# Altium PCB PCB22.PcbDoc (part 12 of 16)
Units mm, origin at the board's own origin, x right, y up, seen from the top; angles counter-clockwise.
Board outline 233.7 x 110.51 mm, 4 copper layers (Top Layer, Layer 1, Layer 2, Bottom Layer), stack 0.603 mm thick; 1249 components, 1355 nets, 4549 pads, 1315 vias.
Unrouted connection lines stored in the file: 1569.
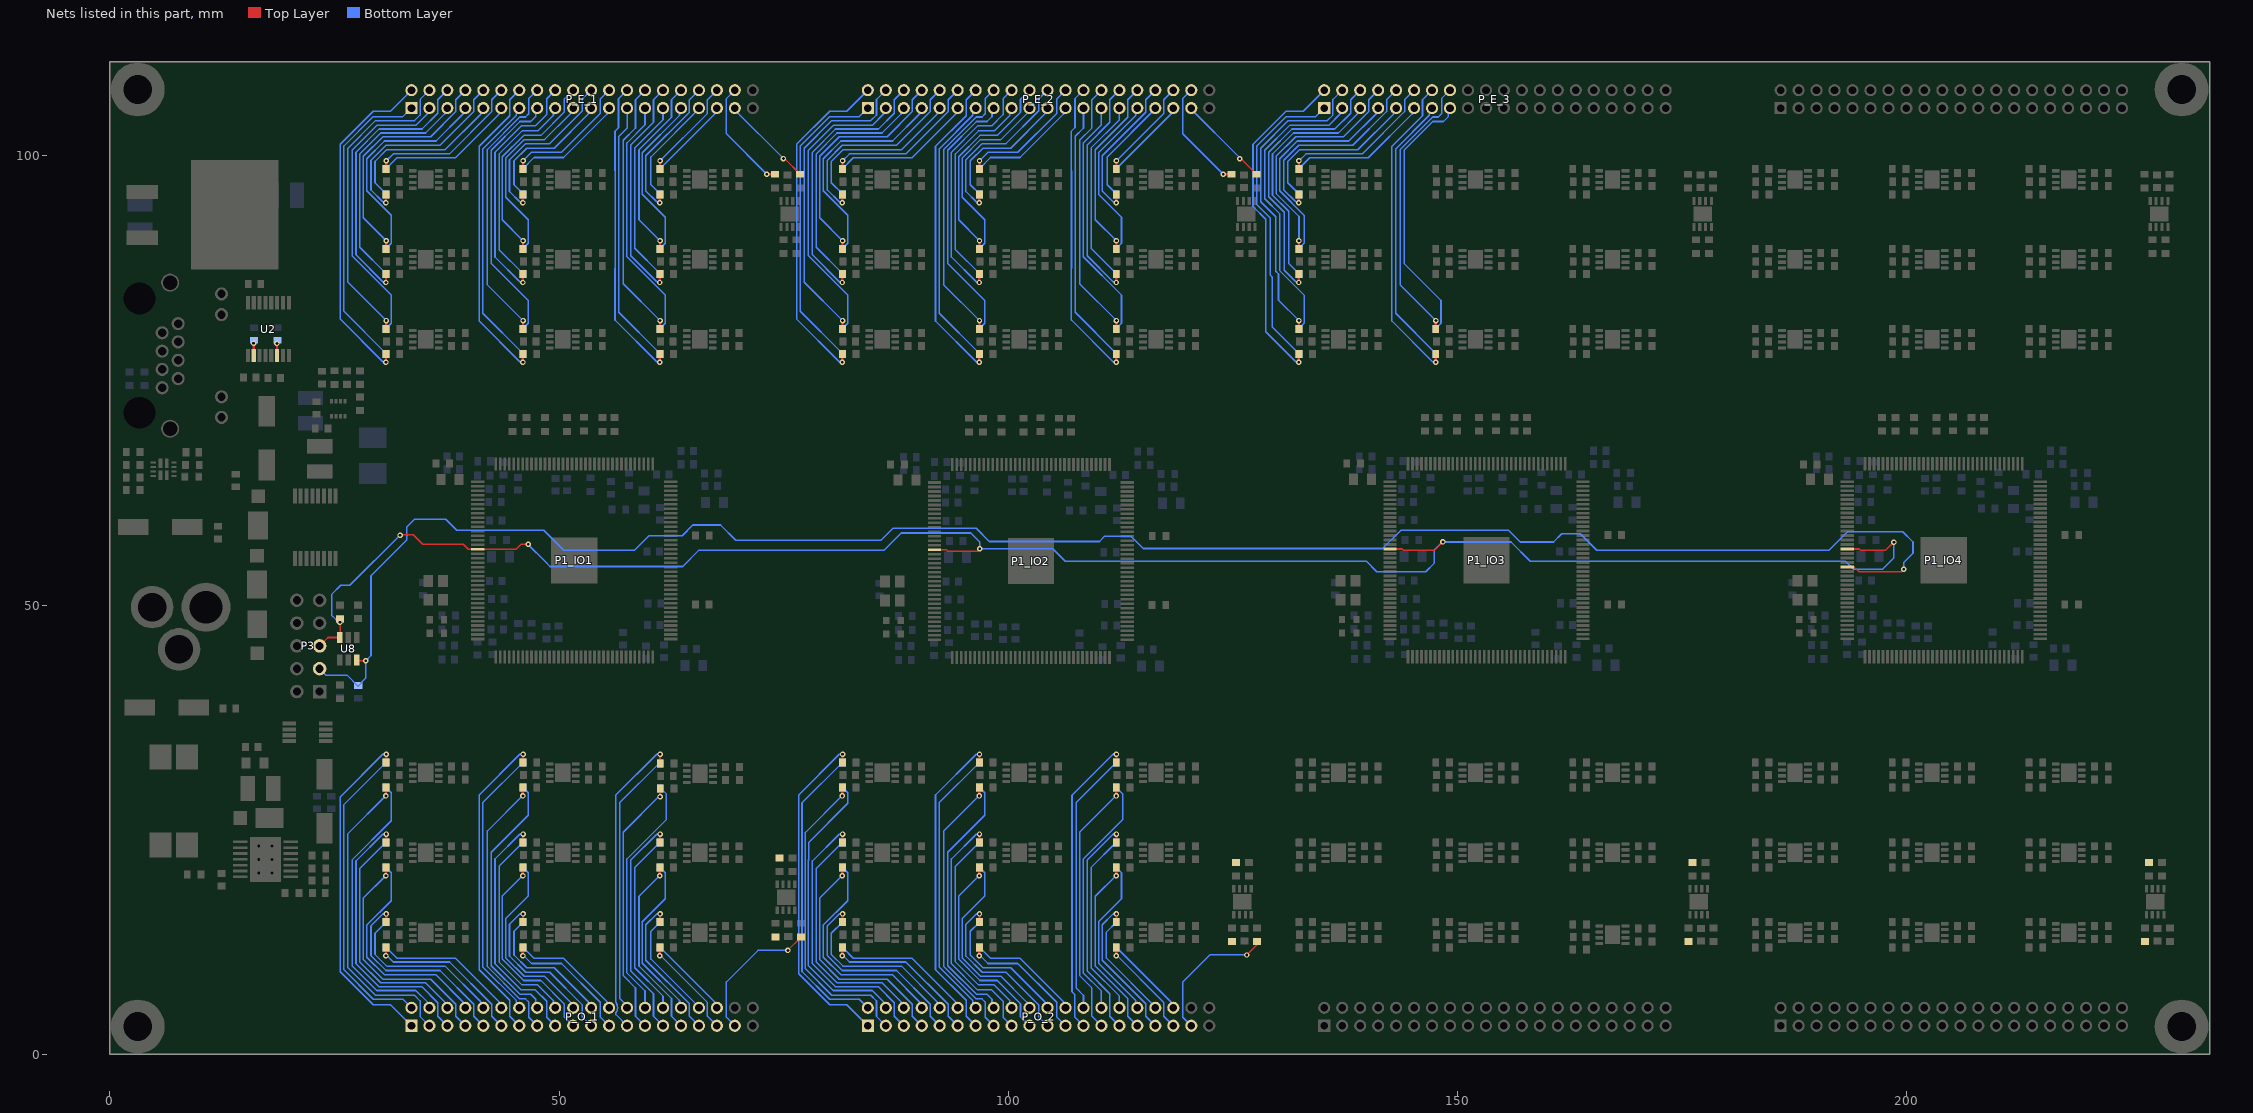
[diagram p14: the nets of this part, all layers, seen from the top]

## Via types
v1: diameter 0.61, hole 0.305, Top Layer to Bottom Layer, 1315 vias

## Nets (pads, with @x,y where several pads share a name; then routed paths per layer and width w, separated by ;. In a path a pad name is that pad's centre, name@x,y a point inside that pad or via, vN(x,y) a via of type N, cw(c..) or ccw(c..) an arc to the next point about the centre after c; other vN are vias at no path point) (continued)
TDO: C37.2 P1_IO4.20 P3.3 U8.6 | length 213.3
  Top Layer w0.178: U8.6@27.474,43.903 27.548,43.83 v1(28.48,43.83) ; P1_IO4.20@193.369,54.255 194.135,54.255 194.683,53.707 199.393,53.707 v1(199.676,53.99)
  Bottom Layer w0.178: P3.3@23.339,42.928 24.082,42.185 26.43,42.185 27.568,41.048 C37.2@27.637,41.048 27.706,41.048 27.998,41.34 27.998,41.409 28.48,41.891 v1(28.48,43.83) 29.055,44.405 29.055,53.285 33.057,57.287 33.057,58.736 33.899,59.578 37.37,59.578 38.593,58.355 48.273,58.355 50.513,56.115 58.376,56.115 60.003,57.742 63.688,57.742 64.877,58.931 67.96,58.931 69.67,57.221 85.814,57.221 87.15,58.557 96.416,58.557 97.881,57.092 110.14,57.092 110.712,57.663 113.658,57.663 115.007,56.314 141.656,56.314 143.664,58.322 155.687,58.322 156.972,57.038 160.679,57.038 161.587,57.947 163.653,57.947 165.495,56.105 191.351,56.105 193.412,58.167 199.563,58.167 200.692,57.038 200.692,55.768 199.676,54.752 v1(199.676,53.99)
TMS: C38.2 P1_IO1.16 P1_IO2.16 P1_IO3.16 P1_IO4.16 P3.5 R11.2 U8.3 | length 213.5
  Top Layer w0.178: P3.5@23.339,45.468 24.274,46.403 U8.3@25.574,46.403 25.615,46.444 R11.2@25.615,48.481 ; v1(32.29,57.8) 32.333,57.843 33.771,57.843 34.83,56.784 39.337,56.784 39.892,56.229 P1_IO1.16@40.944,56.229 45.197,56.229 45.752,56.784 46.567,56.784 v1(46.575,56.792) ; P1_IO2.16@91.772,56.163 93.121,56.163 93.265,56.019 96.549,56.019 v1(96.806,56.276) ; P1_IO3.16@142.493,56.251 143.842,56.251 143.986,56.106 147.436,56.106 v1(148.368,57.038) ; P1_IO4.16@193.369,56.255 194.718,56.255 194.863,56.11 197.644,56.11 198.541,57.007 v1(198.568,57.007)
  Bottom Layer w0.178: C38.2@25.615,48.481 25.536,48.402 25.155,48.402 25.155,48.406 24.67,48.892 24.67,51.183 25.699,52.212 26.702,52.212 v1(32.29,57.8) ; v1(46.575,56.792) 46.575,56.723 48.47,54.828 48.986,54.312 63.743,54.312 65.569,56.138 86.179,56.138 88.073,58.032 95.812,58.032 96.806,57.038 v1(96.806,56.276) 104.934,56.276 106.326,54.884 139.854,54.884 141.01,53.728 146.448,53.728 147.426,54.706 147.426,56.191 148.273,57.038 v1(148.368,57.038) 155.949,57.038 158.089,54.898 193.18,54.898 194.088,53.99 197.288,53.99 198.568,55.27 v1(198.568,57.007)
  other v1: 25.597,48.1
V+: C41.2 U2.2 | length 1.4
  Top Layer w0.254: v1(15.988,79.144) 16.007,79.125 U2.2@16.007,77.793
V-: C44.2 U2.6 | length 1.4
  Top Layer w0.254: v1(18.587,79.136) 18.607,79.116 U2.6@18.607,77.793
V_IN76_U_VoltageAmplifier_1xFPGA1: R28_U_VoltageAmplifier381.1 | length 0
  Top Layer w0.254: R28_U_VoltageAmplifier381.1@74.529,21.892 R28_U_VoltageAmplifier381.1@74.541,21.88
V_IN76_U_VoltageAmplifier_1xFPGA2: R28_U_VoltageAmplifier382.1 | length 0
  Top Layer w0.254: R28_U_VoltageAmplifier382.1@125.329,21.384 R28_U_VoltageAmplifier382.1@125.341,21.372
V_IN76_U_VoltageAmplifier_1xFPGA3: R28_U_VoltageAmplifier383.1 | length 0
  Top Layer w0.254: R28_U_VoltageAmplifier383.1@176.129,21.384 R28_U_VoltageAmplifier383.1@176.141,21.372
V_IN76_U_VoltageAmplifier_1xFPGA4: R28_U_VoltageAmplifier384.1 | length 0
  Top Layer w0.254: R28_U_VoltageAmplifier384.1@226.929,21.384 R28_U_VoltageAmplifier384.1@226.941,21.372
V_OUT1: P_E_1.2 R27_U_VoltageAmplifier11.2 | length 37.9
  Top Layer w0.254: v1(30.725,77.029) 30.725,77.946 R27_U_VoltageAmplifier11.2@30.736,77.957
  Bottom Layer w0.178: v1(30.725,77.029) 30.642,77.112 30.379,77.112 25.629,81.862 25.629,101.308 29.311,104.99 31.22,104.99 P_E_1.2@33.56,107.33
V_OUT2: P_E_1.4 R29_U_VoltageAmplifier11.2 | length 34.6
  Top Layer w0.254: R29_U_VoltageAmplifier11.2@30.736,80.751 30.748,80.763 v1(30.748,81.679)
  Bottom Layer w0.178: v1(30.748,81.679) 26.487,85.941 26.487,100.868 29.558,103.94 33.897,103.94 34.523,104.566 34.523,106.293 P_E_1.4@35.56,107.33
V_OUT3: P_E_1.3 R27_U_VoltageAmplifier21.2 | length 32.7
  Bottom Layer w0.178: R27_U_VoltageAmplifier21.2@30.736,80.751 30.736,80.815 31.319,81.398 31.319,84.516 26.949,88.887 26.949,100.651 29.702,103.405 34.047,103.405 35.336,104.693 35.336,105.106 P_E_1.3@35.56,105.33
V_OUT4: P_E_1.1 R29_U_VoltageAmplifier21.2 | length 34.4
  Bottom Layer w0.178: R29_U_VoltageAmplifier21.2@30.736,77.957 30.736,78.021 26.047,82.71 26.047,101.11 29.32,104.384 32.614,104.384 P_E_1.1@33.56,105.33
V_OUT5: P_E_1.6 R27_U_VoltageAmplifier31.2 | length 30.9
  Top Layer w0.254: v1(30.725,85.919) 30.725,86.836 R27_U_VoltageAmplifier31.2@30.736,86.847
  Bottom Layer w0.178: v1(30.725,85.919) 30.642,86.002 30.379,86.002 27.389,88.992 27.389,100.428 29.96,103 34.735,103 36.502,104.767 36.502,106.272 P_E_1.6@37.56,107.33
V_OUT6: P_E_1.8 R29_U_VoltageAmplifier31.2 | length 26.6
  Top Layer w0.254: R29_U_VoltageAmplifier31.2@30.736,89.641 30.748,89.653 v1(30.748,90.569)
  Bottom Layer w0.178: v1(30.748,90.569) 28.203,93.114 28.203,99.966 30.388,102.151 35.713,102.151 38.502,104.94 38.502,106.272 P_E_1.8@39.56,107.33
V_OUT7: P_E_1.7 R27_U_VoltageAmplifier41.2 | length 25
  Bottom Layer w0.178: R27_U_VoltageAmplifier41.2@30.736,89.641 30.736,89.705 31.319,90.288 31.319,93.406 28.599,96.126 28.599,99.702 30.565,101.668 36.304,101.668 39.336,104.7 39.336,105.106 P_E_1.7@39.56,105.33
V_OUT8: P_E_1.5 R29_U_VoltageAmplifier41.2 | length 26.7
  Bottom Layer w0.178: R29_U_VoltageAmplifier41.2@30.736,86.847 30.736,86.911 27.807,89.84 27.807,100.23 30.132,102.556 35.136,102.556 37.247,104.667 37.247,104.7 37.56,105.013 P_E_1.5@37.56,105.33
V_OUT9: P_E_1.10 R27_U_VoltageAmplifier51.2 | length 23
  Top Layer w0.254: v1(30.725,94.809) 30.725,95.726 R27_U_VoltageAmplifier51.2@30.736,95.737
  Bottom Layer w0.178: v1(30.725,94.809) 30.642,94.892 30.379,94.892 29.061,96.21 29.061,99.526 30.72,101.185 36.746,101.185 40.502,104.94 40.502,106.272 P_E_1.10@41.56,107.33
V_OUT10: P_E_1.12 R29_U_VoltageAmplifier51.2 | length 17.8
  Top Layer w0.254: R29_U_VoltageAmplifier51.2@30.736,98.531 30.748,98.543 v1(30.748,99.459)
  Bottom Layer w0.178: v1(30.748,99.459) 31.52,100.231 37.793,100.231 42.502,104.94 42.502,106.272 P_E_1.12@43.56,107.33
V_OUT11: P_E_1.11 R27_U_VoltageAmplifier61.2 | length 15.9
  Bottom Layer w0.178: R27_U_VoltageAmplifier61.2@30.736,98.531 30.736,98.595 31.951,99.809 38.468,99.809 43.336,104.677 43.336,105.106 P_E_1.11@43.56,105.33
V_OUT12: P_E_1.9 R29_U_VoltageAmplifier61.2 | length 18.9
  Bottom Layer w0.178: R29_U_VoltageAmplifier61.2@30.736,95.737 30.736,95.801 29.501,97.036 29.501,99.394 30.795,100.688 37.303,100.688 41.264,104.649 41.264,104.717 41.56,105.013 P_E_1.9@41.56,105.33
V_OUT13: P_E_1.14 R27_U_VoltageAmplifier71.2 | length 35.3
  Top Layer w0.254: v1(45.965,77.029) 45.965,77.946 R27_U_VoltageAmplifier71.2@45.976,77.957
  Bottom Layer w0.178: P_E_1.14@45.56,107.33 44.502,106.272 44.502,104.492 41.096,101.086 41.096,81.635 45.619,77.112 45.882,77.112 v1(45.965,77.029)
V_OUT14: P_E_1.16 R29_U_VoltageAmplifier71.2 | length 30.9
  Top Layer w0.254: R29_U_VoltageAmplifier71.2@45.976,80.751 45.988,80.763 v1(45.988,81.679)
  Bottom Layer w0.178: v1(45.988,81.679) 42.016,85.651 42.016,100.731 45.626,104.341 46.264,104.341 46.618,104.696 46.618,106.388 P_E_1.16@47.56,107.33
V_OUT15: P_E_1.15 R27_U_VoltageAmplifier81.2 | length 29.1
  Bottom Layer w0.178: R27_U_VoltageAmplifier81.2@45.976,80.751 45.976,80.815 46.559,81.398 46.559,83.914 42.448,88.026 42.448,100.639 45.644,103.836 46.83,103.836 47.382,104.388 P_E_1.15@47.382,105.152
V_OUT16: P_E_1.13 R29_U_VoltageAmplifier81.2 | length 30.9
  Bottom Layer w0.178: P_E_1.13@45.56,105.33 45.56,105.013 45.248,104.701 45.248,104.526 41.509,100.787 41.509,82.488 45.976,78.021 R29_U_VoltageAmplifier81.2@45.976,77.957
V_OUT17: P_E_1.18 R27_U_VoltageAmplifier91.2 | length 27.5
  Top Layer w0.254: v1(45.965,85.919) 45.965,86.836 R27_U_VoltageAmplifier91.2@45.976,86.847
  Bottom Layer w0.178: v1(45.965,85.919) 45.882,86.002 45.619,86.002 42.861,88.76 42.861,100.431 45.775,103.345 47.346,103.345 48.61,104.609 48.61,106.38 P_E_1.18@49.56,107.33
V_OUT18: P_E_1.20 R29_U_VoltageAmplifier91.2 | length 23.1
  Top Layer w0.254: R29_U_VoltageAmplifier91.2@45.976,89.641 45.988,89.653 v1(45.988,90.569)
  Bottom Layer w0.178: v1(45.988,90.569) 43.667,92.89 43.667,99.912 46.047,102.292 47.969,102.292 50.548,104.871 50.548,106.318 P_E_1.20@51.56,107.33
V_OUT19: P_E_1.19 R27_U_VoltageAmplifier101.2 | length 21.4
  Bottom Layer w0.178: R27_U_VoltageAmplifier101.2@45.976,89.641 45.976,89.705 46.559,90.288 46.559,92.897 44.062,95.394 44.062,99.784 46.102,101.824 48.374,101.824 51.232,104.682 51.232,104.685 51.56,105.013 P_E_1.19@51.56,105.33
V_OUT20: P_E_1.17 R29_U_VoltageAmplifier101.2 | length 23.2
  Bottom Layer w0.178: R29_U_VoltageAmplifier101.2@45.976,86.847 45.976,86.911 43.311,89.576 43.311,100.227 45.873,102.789 47.62,102.789 49.372,104.542 49.372,105.142 P_E_1.17@49.56,105.33
V_OUT21: P_E_1.22 R27_U_VoltageAmplifier111.2 | length 19.5
  Top Layer w0.254: v1(45.965,94.809) 45.965,95.726 R27_U_VoltageAmplifier111.2@45.976,95.737
  Bottom Layer w0.178: v1(45.965,94.809) 45.882,94.892 45.619,94.892 44.475,96.035 44.475,99.576 46.282,101.382 48.944,101.382 52.593,105.031 52.593,106.363 P_E_1.22@53.56,107.33
V_OUT22: P_E_1.24 R29_U_VoltageAmplifier111.2 | length 14.7
  Top Layer w0.254: R29_U_VoltageAmplifier111.2@45.976,98.531 45.988,98.543 v1(45.988,99.459)
  Bottom Layer w0.178: v1(45.988,99.459) 46.93,100.401 50.259,100.401 54.577,104.719 54.577,106.347 P_E_1.24@55.56,107.33
V_OUT23: P_E_1.23 R27_U_VoltageAmplifier121.2 | length 12.7
  Bottom Layer w0.178: R27_U_VoltageAmplifier121.2@45.976,98.531 45.976,98.595 47.21,99.829 50.495,99.829 55.336,104.669 55.336,105.106 P_E_1.23@55.56,105.33
V_OUT24: P_E_1.21 R29_U_VoltageAmplifier121.2 | length 15.4
  Bottom Layer w0.178: R29_U_VoltageAmplifier121.2@45.976,95.737 45.976,95.801 44.973,96.804 44.973,99.468 46.38,100.875 49.467,100.875 53.253,104.661 53.253,104.705 53.56,105.013 P_E_1.21@53.56,105.33
V_OUT25: P_E_1.26 R27_U_VoltageAmplifier131.2 | length 34
  Top Layer w0.254: v1(61.205,77.029) 61.205,77.946 R27_U_VoltageAmplifier131.2@61.216,77.957
  Bottom Layer w0.178: P_E_1.26@57.56,107.33 56.609,106.379 56.609,103.145 56.221,102.758 56.221,98.34 56.225,98.336 56.225,87.525 56.221,87.521 56.221,81.75 60.859,77.112 61.122,77.112 v1(61.205,77.029)
V_OUT26: P_E_1.28 R29_U_VoltageAmplifier131.2 | length 29.3
  Top Layer w0.254: R29_U_VoltageAmplifier131.2@61.216,80.751 61.228,80.763 v1(61.228,81.679)
  Bottom Layer w0.178: P_E_1.28@59.56,107.33 58.502,106.272 58.502,103.119 57.129,101.746 57.129,85.778 v1(61.228,81.679)
V_OUT27: P_E_1.27 R27_U_VoltageAmplifier141.2 | length 27.4
  Bottom Layer w0.178: P_E_1.27@59.56,105.33 59.56,103.467 57.543,101.45 57.543,88.772 61.799,84.516 61.799,81.398 61.216,80.815 R27_U_VoltageAmplifier141.2@61.216,80.751
V_OUT28: P_E_1.25 R29_U_VoltageAmplifier141.2 | length 29.7
  Bottom Layer w0.178: P_E_1.25@57.56,105.33 57.56,103.1 56.636,102.176 56.636,82.601 61.216,78.021 R29_U_VoltageAmplifier141.2@61.216,77.957
V_OUT29: P_E_1.30 R27_U_VoltageAmplifier151.2 | length 25.3
  Top Layer w0.254: v1(61.205,85.919) 61.205,86.836 R27_U_VoltageAmplifier151.2@61.216,86.847
  Bottom Layer w0.178: v1(61.205,85.919) 61.122,86.002 60.859,86.002 57.977,88.883 57.977,101.233 60.502,103.757 60.502,106.272 P_E_1.30@61.56,107.33
V_OUT30: P_E_1.32 R29_U_VoltageAmplifier151.2 | length 20.6
  Top Layer w0.254: R29_U_VoltageAmplifier151.2@61.216,89.641 61.228,89.653 v1(61.228,90.569)
  Bottom Layer w0.178: v1(61.228,90.569) 58.885,92.912 58.885,100.68 62.502,104.297 62.502,106.272 P_E_1.32@63.56,107.33
V_OUT31: P_E_1.31 R27_U_VoltageAmplifier161.2 | length 18.8
  Bottom Layer w0.178: R27_U_VoltageAmplifier161.2@61.216,89.641 61.216,89.705 61.799,90.288 61.799,93.188 59.241,95.747 59.241,100.365 63.395,104.519 63.395,105.165 P_E_1.31@63.56,105.33
V_OUT32: P_E_1.29 R29_U_VoltageAmplifier161.2 | length 20.9
  Bottom Layer w0.178: R29_U_VoltageAmplifier161.2@61.216,86.847 61.216,86.911 58.411,89.715 58.411,100.878 61.56,104.026 P_E_1.29@61.56,105.33
V_OUT33: P_E_1.34 R27_U_VoltageAmplifier171.2 | length 16.7
  Top Layer w0.254: v1(61.205,94.809) 61.205,95.726 R27_U_VoltageAmplifier171.2@61.216,95.737
  Bottom Layer w0.178: v1(61.205,94.809) 61.122,94.892 60.859,94.892 59.655,96.096 59.655,100.029 64.502,104.876 64.502,106.272 P_E_1.34@65.56,107.33
V_OUT34: P_E_1.36 R29_U_VoltageAmplifier171.2 | length 11.4
  Top Layer w0.254: R29_U_VoltageAmplifier171.2@61.216,98.531 61.228,98.543 v1(61.228,99.459)
  Bottom Layer w0.178: v1(61.228,99.459) 66.502,104.733 66.502,106.272 P_E_1.36@67.56,107.33
V_OUT35: P_E_1.35 R27_U_VoltageAmplifier181.2 | length 9.1
  Bottom Layer w0.178: R27_U_VoltageAmplifier181.2@61.216,98.531 61.216,98.595 67.336,104.714 67.336,104.789 67.486,104.938 P_E_1.35@67.56,104.938
V_OUT36: P_E_1.33 R29_U_VoltageAmplifier181.2 | length 12.2
  Bottom Layer w0.178: R29_U_VoltageAmplifier181.2@61.216,95.737 61.216,95.801 60.213,96.804 60.213,99.897 65.56,105.244 P_E_1.33@65.56,105.33
V_OUT37: P_E_1.38 R27_U_VoltageAmplifier191.2 | length 12.5
  Top Layer w0.254: v1(73.109,97.973) 74.026,97.973 R27_U_VoltageAmplifier191.2@74.037,97.962
  Bottom Layer w0.178: P_E_1.38@69.56,107.33 68.618,106.388 68.618,102.464 v1(73.109,97.973)
V_OUT38: P_E_1.37 R29_U_VoltageAmplifier191.2 | length 10.5
  Top Layer w0.178: v1(74.962,99.71) 75.083,99.71 R29_U_VoltageAmplifier191.2@76.831,97.962
  Bottom Layer w0.178: P_E_1.37@69.56,105.33 69.56,105.112 v1(74.962,99.71)
V_OUT39: P_O_1.3 R27_U_VoltageAmplifier201.2 | length 34.6
  Top Layer w0.254: v1(30.725,28.769) 30.725,29.686 R27_U_VoltageAmplifier201.2@30.736,29.697
  Bottom Layer w0.178: v1@30.748,28.841 26.487,24.579 26.487,9.652 29.558,6.58 33.897,6.58 34.523,5.954 34.523,4.227 P_O_1.3@35.56,3.19
V_OUT40: P_O_1.1 R29_U_VoltageAmplifier201.2 | length 37.9
  Top Layer w0.254: R29_U_VoltageAmplifier201.2@30.736,32.491 30.748,32.503 v1(30.748,33.419)
  Bottom Layer w0.178: v1@30.725,33.491 30.642,33.408 30.379,33.408 25.629,28.658 25.629,9.212 29.311,5.53 31.22,5.53 P_O_1.1@33.56,3.19
V_OUT41: P_O_1.2 R27_U_VoltageAmplifier211.2 | length 34.4
  Bottom Layer w0.178: R27_U_VoltageAmplifier211.2@30.736,32.563 30.736,32.499 26.047,27.81 26.047,9.41 29.32,6.136 32.614,6.136 P_O_1.2@33.56,5.19
V_OUT42: P_O_1.4 R29_U_VoltageAmplifier211.2 | length 32.7
  Bottom Layer w0.178: R29_U_VoltageAmplifier211.2@30.736,29.769 30.736,29.705 31.319,29.122 31.319,26.004 26.949,21.633 26.949,9.869 29.702,7.115 34.047,7.115 35.336,5.827 35.336,5.414 P_O_1.4@35.56,5.19
V_OUT43: P_O_1.7 R27_U_VoltageAmplifier221.2 | length 26.6
  Top Layer w0.254: v1(30.725,19.879) 30.725,20.796 R27_U_VoltageAmplifier221.2@30.736,20.807
  Bottom Layer w0.178: v1@30.748,19.951 28.203,17.406 28.203,10.554 30.388,8.369 35.713,8.369 38.502,5.58 38.502,4.248 P_O_1.7@39.56,3.19
V_OUT44: P_O_1.5 R29_U_VoltageAmplifier221.2 | length 30.9
  Top Layer w0.254: R29_U_VoltageAmplifier221.2@30.736,23.601 30.748,23.613 v1(30.748,24.529)
  Bottom Layer w0.178: v1@30.725,24.601 30.642,24.518 30.379,24.518 27.389,21.528 27.389,10.092 29.96,7.52 34.735,7.52 36.502,5.753 36.502,4.248 P_O_1.5@37.56,3.19
V_OUT45: P_O_1.6 R27_U_VoltageAmplifier231.2 | length 26.7
  Bottom Layer w0.178: R27_U_VoltageAmplifier231.2@30.736,23.673 30.736,23.609 27.807,20.68 27.807,10.29 30.132,7.964 35.136,7.964 37.247,5.853 37.247,5.82 37.56,5.507 P_O_1.6@37.56,5.19
V_OUT46: P_O_1.8 R29_U_VoltageAmplifier231.2 | length 25
  Bottom Layer w0.178: R29_U_VoltageAmplifier231.2@30.736,20.879 30.736,20.815 31.319,20.232 31.319,17.114 28.599,14.394 28.599,10.818 30.565,8.852 36.304,8.852 39.336,5.82 39.336,5.414 P_O_1.8@39.56,5.19
V_OUT47: P_O_1.11 R27_U_VoltageAmplifier241.2 | length 17.8
  Top Layer w0.254: v1(30.725,10.989) 30.725,11.906 R27_U_VoltageAmplifier241.2@30.736,11.917
  Bottom Layer w0.178: v1@30.748,11.061 31.52,10.289 37.793,10.289 42.502,5.58 42.502,4.248 P_O_1.11@43.56,3.19
V_OUT48: P_O_1.9 R29_U_VoltageAmplifier241.2 | length 23
  Top Layer w0.254: R29_U_VoltageAmplifier241.2@30.736,14.711 30.748,14.723 v1(30.748,15.639)
  Bottom Layer w0.178: v1@30.725,15.711 30.642,15.628 30.379,15.628 29.061,14.31 29.061,10.994 30.72,9.335 36.746,9.335 40.502,5.58 40.502,4.248 P_O_1.9@41.56,3.19
V_OUT49: P_O_1.10 R27_U_VoltageAmplifier251.2 | length 18.9
  Bottom Layer w0.178: R27_U_VoltageAmplifier251.2@30.736,14.783 30.736,14.719 29.501,13.484 29.501,11.126 30.795,9.832 37.303,9.832 41.264,5.871 41.264,5.803 41.56,5.507 P_O_1.10@41.56,5.19
V_OUT50: P_O_1.12 R29_U_VoltageAmplifier251.2 | length 15.9
  Bottom Layer w0.178: R29_U_VoltageAmplifier251.2@30.736,11.989 30.736,11.925 31.951,10.711 38.468,10.711 43.336,5.843 43.336,5.414 P_O_1.12@43.56,5.19
V_OUT51: P_O_1.15 R27_U_VoltageAmplifier261.2 | length 30.9
  Top Layer w0.254: v1(45.965,28.769) 45.965,29.686 R27_U_VoltageAmplifier261.2@45.976,29.697
  Bottom Layer w0.178: v1@45.988,28.841 42.016,24.869 42.016,9.789 45.626,6.179 46.264,6.179 46.618,5.824 46.618,4.132 P_O_1.15@47.56,3.19
V_OUT52: P_O_1.13 R29_U_VoltageAmplifier261.2 | length 35.3
  Top Layer w0.254: R29_U_VoltageAmplifier261.2@45.976,32.491 45.988,32.503 v1(45.988,33.419)
  Bottom Layer w0.178: P_O_1.13@45.56,3.19 44.502,4.248 44.502,6.028 41.096,9.434 41.096,28.885 45.619,33.408 45.882,33.408 v1@45.965,33.491
V_OUT53: P_O_1.14 R27_U_VoltageAmplifier271.2 | length 30.9
  Bottom Layer w0.178: P_O_1.14@45.56,5.19 45.56,5.507 45.248,5.819 45.248,5.994 41.509,9.733 41.509,28.032 45.976,32.499 R27_U_VoltageAmplifier271.2@45.976,32.563
V_OUT54: P_O_1.16 R29_U_VoltageAmplifier271.2 | length 29.1
  Bottom Layer w0.178: R29_U_VoltageAmplifier271.2@45.976,29.769 45.976,29.705 46.559,29.122 46.559,26.606 42.448,22.494 42.448,9.881 45.644,6.684 46.83,6.684 47.382,6.132 P_O_1.16@47.382,5.368
V_OUT55: P_O_1.19 R27_U_VoltageAmplifier281.2 | length 23.1
  Top Layer w0.254: v1(45.965,19.879) 45.965,20.796 R27_U_VoltageAmplifier281.2@45.976,20.807
  Bottom Layer w0.178: v1@45.988,19.951 43.667,17.63 43.667,10.608 46.047,8.228 47.969,8.228 50.548,5.649 50.548,4.202 P_O_1.19@51.56,3.19
V_OUT56: P_O_1.17 R29_U_VoltageAmplifier281.2 | length 27.5
  Top Layer w0.254: R29_U_VoltageAmplifier281.2@45.976,23.601 45.988,23.613 v1(45.988,24.529)
  Bottom Layer w0.178: v1@45.965,24.601 45.882,24.518 45.619,24.518 42.861,21.76 42.861,10.089 45.775,7.175 47.346,7.175 48.61,5.911 48.61,4.14 P_O_1.17@49.56,3.19
V_OUT57: P_O_1.18 R27_U_VoltageAmplifier291.2 | length 23.2
  Bottom Layer w0.178: R27_U_VoltageAmplifier291.2@45.976,23.673 45.976,23.609 43.311,20.944 43.311,10.293 45.873,7.731 47.62,7.731 49.372,5.978 49.372,5.378 P_O_1.18@49.56,5.19
V_OUT58: P_O_1.20 R29_U_VoltageAmplifier291.2 | length 21.4
  Bottom Layer w0.178: R29_U_VoltageAmplifier291.2@45.976,20.879 45.976,20.815 46.559,20.232 46.559,17.623 44.062,15.126 44.062,10.736 46.102,8.696 48.374,8.696 51.232,5.838 51.232,5.835 51.56,5.507 P_O_1.20@51.56,5.19
V_OUT59: P_O_1.23 R27_U_VoltageAmplifier301.2 | length 14.7
  Top Layer w0.254: v1(45.965,10.989) 45.965,11.906 R27_U_VoltageAmplifier301.2@45.976,11.917
  Bottom Layer w0.178: v1@45.988,11.061 46.93,10.119 50.259,10.119 54.577,5.801 54.577,4.173 P_O_1.23@55.56,3.19
V_OUT60: P_O_1.21 R29_U_VoltageAmplifier301.2 | length 19.5
  Top Layer w0.254: R29_U_VoltageAmplifier301.2@45.976,14.711 45.988,14.723 v1(45.988,15.639)
  Bottom Layer w0.178: v1@45.965,15.711 45.882,15.628 45.619,15.628 44.475,14.485 44.475,10.944 46.282,9.138 48.944,9.138 52.593,5.489 52.593,4.157 P_O_1.21@53.56,3.19
V_OUT61: P_O_1.22 R27_U_VoltageAmplifier311.2 | length 15.4
  Bottom Layer w0.178: R27_U_VoltageAmplifier311.2@45.976,14.783 45.976,14.719 44.973,13.716 44.973,11.052 46.38,9.645 49.467,9.645 53.253,5.859 53.253,5.815 53.56,5.507 P_O_1.22@53.56,5.19
V_OUT62: P_O_1.24 R29_U_VoltageAmplifier311.2 | length 12.7
  Bottom Layer w0.178: R29_U_VoltageAmplifier311.2@45.976,11.989 45.976,11.925 47.21,10.691 50.495,10.691 55.336,5.851 55.336,5.414 P_O_1.24@55.56,5.19
V_OUT63: P_O_1.27 R27_U_VoltageAmplifier321.2 | length 29.3
  Top Layer w0.254: v1(61.234,28.678) 61.234,29.594 R27_U_VoltageAmplifier321.2@61.246,29.606
  Bottom Layer w0.178: P_O_1.27@59.56,3.19 58.502,4.248 58.502,7.401 57.129,8.774 57.129,24.742 v1@61.228,28.841
V_OUT64: P_O_1.25 R29_U_VoltageAmplifier321.2 | length 34
  Top Layer w0.254: R29_U_VoltageAmplifier321.2@61.228,32.503 v1(61.228,33.419) ; R29_U_VoltageAmplifier321.2@61.246,32.4 R29_U_VoltageAmplifier321.2@61.258,32.412
  Bottom Layer w0.178: P_O_1.25@57.56,3.19 56.32,4.43 56.32,4.634 ccw(c55.56,5.19) 56.502,5.19 ccw(c55.359,5.19) 56.281,5.865 56.281,28.83 60.859,33.408 61.122,33.408 v1@61.205,33.491
V_OUT65: P_O_1.26 R27_U_VoltageAmplifier331.2 | length 29.5
  Bottom Layer w0.178: P_O_1.26@57.56,5.19 57.56,5.41 56.747,6.223 56.747,28.03 R27_U_VoltageAmplifier331.2@61.216,32.499
V_OUT66: P_O_1.28 R29_U_VoltageAmplifier331.2 | length 27.5
  Bottom Layer w0.178: P_O_1.28@59.56,5.19 59.56,7.053 57.543,9.07 57.543,21.748 61.943,26.147 61.943,28.979 R29_U_VoltageAmplifier331.2@61.216,29.705
V_OUT67: P_O_1.31 R27_U_VoltageAmplifier341.2 | length 20.6
  Top Layer w0.254: v1(61.205,19.879) 61.205,20.796 R27_U_VoltageAmplifier341.2@61.216,20.807
  Bottom Layer w0.178: v1@61.228,19.951 58.885,17.608 58.885,9.84 62.502,6.223 62.502,4.248 P_O_1.31@63.56,3.19
V_OUT68: P_O_1.29 R29_U_VoltageAmplifier341.2 | length 25.3
  Top Layer w0.254: R29_U_VoltageAmplifier341.2@61.216,23.601 61.228,23.613 v1(61.228,24.529)
  Bottom Layer w0.178: v1@61.205,24.601 61.122,24.518 60.859,24.518 57.977,21.637 57.977,9.287 60.502,6.763 60.502,4.248 P_O_1.29@61.56,3.19